# Altium PCB CLP_v1.2_Pcb_2.PcbDoc (part 2 of 2)
Units mil, origin at the board's own origin, x right, y up, seen from the top; angles counter-clockwise.
Board outline 2247.32 x 3030.4 mil, 2 copper layers (Top Layer, Bottom Layer); 102 components, 87 nets, 445 pads, 103 vias.
Unrouted connection lines stored in the file: 22.
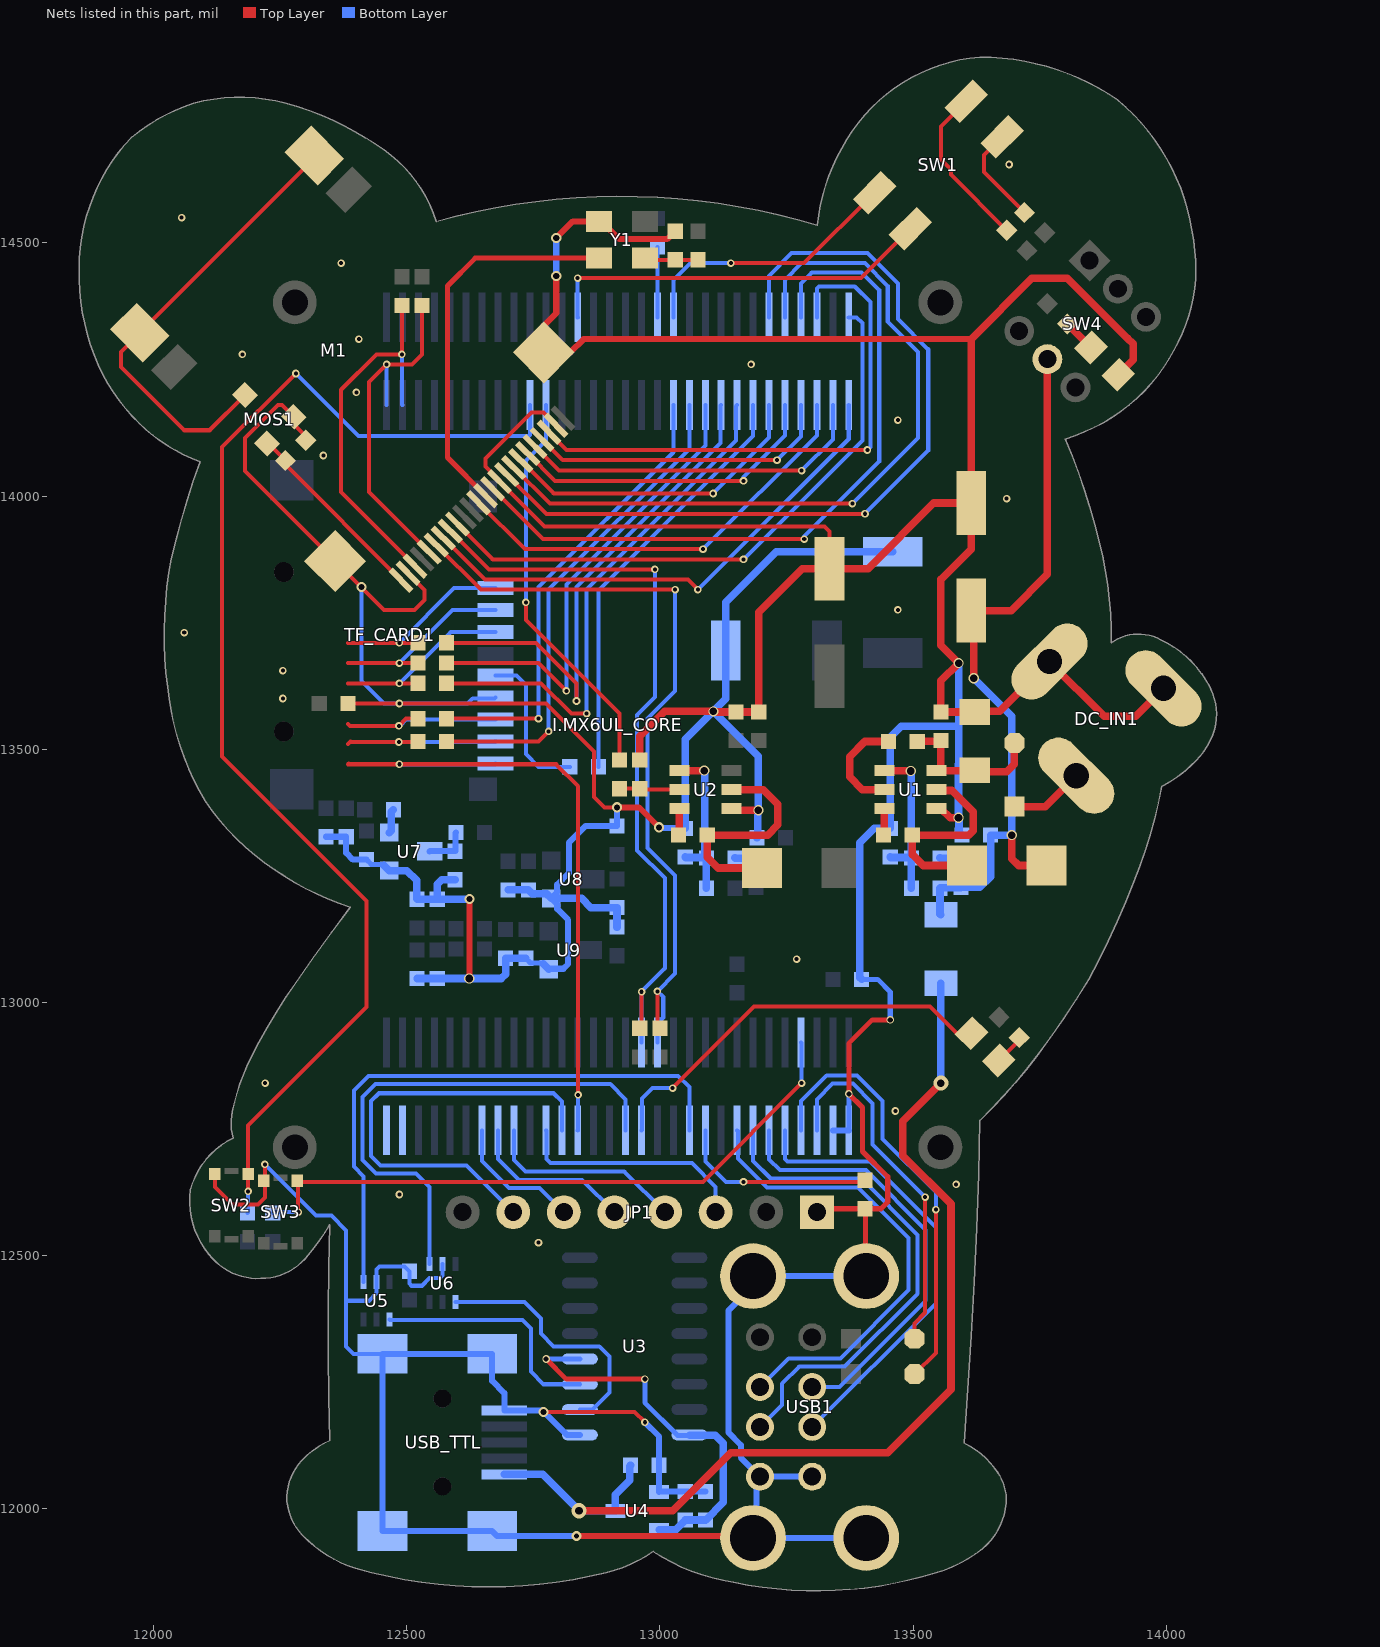
[diagram p2: the nets of this part, all layers, seen from the top]

## Via types
v1: diameter 15, hole 8, Top Layer to Bottom Layer, 63 vias
v2: diameter 30, hole 15, Top Layer to Bottom Layer, 12 vias
v3: diameter 20, hole 15, Top Layer to Bottom Layer, 11 vias
v4: diameter 20, hole 12, Top Layer to Bottom Layer, 7 vias
v5: diameter 20, hole 10, Top Layer to Bottom Layer, 5 vias
v6: diameter 15, hole 10, Top Layer to Bottom Layer, 4 vias
v7: diameter 24, hole 12, Top Layer to Bottom Layer, 1 vias

## Nets (pads, with @x,y where several pads share a name; then routed paths per layer and width w, separated by ;. In a path a pad name is that pad's centre, name@x,y a point inside that pad or via, vN(x,y) a via of type N, cw(c..) or ccw(c..) an arc to the next point about the centre after c; other vN are vias at no path point) (continued)
GND: C1.2 C2.2 C3.2 C6.1 C7.2 C8.1 C9.1 C10.1 C12.2 C14.2 C15.1 C16.1 C17.1 C18.1 C19.1 C20.1 C21.1 C22.1 C23.1 C24.1 C25.1 C26.1 C27.1 C28.1 C29.1 C30.1 C31.1 C32.1 C33.2 C34.2 C35.1 D3.1 D4.1 DC_IN1.2 DC_IN1.3 I.MX6UL_CORE.J2_59 I.MX6UL_CORE.J2_60 JP1.1 M1.2 M1.15 M1.23 M1.25 M1.26 MOS1.2 PWR.2 R4.1 R8.2 R30.1 R35.2 SW2.3 SW3.3 TF_CARD1.6 U1.1 U2.1 U3.1 U4.1 U5.2 U6.2 U7.1 U8.1 U9.1 USB1.4 USB1.8 USB1.9 USB1.10 USB1.11 USB1.12 USB_TTL.5 Y1.2 | length 16467.6
  Top Layer w8: SW2.3@12120.34,12660.46 12120.34,12634.66 12155,12600 12205.31,12600 12219.38,12614.07 v1(12219.38,12679.38) ; R30.1@12299.98,14109.98 12299.98,14118.47 12276.25,14142.21 MOS1.2@12276.25,14156.65 12252.89,14180 12245,14180 12180,14115 12180,14049.59 M1.26@12358.02,13871.57 12454.59,13775 12515,13775 12535,13795 12535,13814.7 M1.2@12502.22,13847.48 ; C19.1@12383.25,13590 v1(12485,13590) 12775,13590 12870,13495 12870,13405 12890,13385 v4(12915,13385) ; v4(12770,12190) 12950,12190 v1(12970,12170) ; M1.25@12770.27,14283.82 M1.25@12781.18,14283.82 ; M1.23@12794.53,14139.79 12794.53,14140.47 12770,14165 12746.36,14165 12655.39,14074.03 12655.39,14058.6 12683.17,14030.81 M1.15@12683.17,14028.43 12771.61,13940 13325,13940 13335,13930 C14.2@13335,13856.3
  Top Layer w10: JP1.1@13310,12585 13316.75,12591.75 R35.2@13405,12591.75 ; USB1.11@13407.45,12458.8 13406.22,12460.03 13406.22,12590.53 R35.2@13405,12591.75 ; v6(13455,12965) 13419.55,12965 13373.11,12918.56 v6(13373.11,12818.74) 13400.2,12791.65 13400.2,12704.8 13450,12655 13450,12605 13436.75,12591.75 R35.2@13405,12591.75
  Top Layer w12: v3(12623.11,13046.75) 12623.36,13047 12623.36,13203.78 v4(12623.61,13204.03) ; M1.25@12770.27,14283.82 12770.27,14336.58 12795,14361.31 v4(12795,14435) ; M1.25@12781.18,14283.82 12823.03,14283.82 12849.21,14310 13615,14310 ; v4(12795,14510) 12827.83,14542.83 Y1.2@12879.45,14542.83 12884.37,14542.83 12919.74,14507.47 13014.22,14507.47 C33.2@13030,14523.25 ; v5(12835,11945) 13180.31,11945 USB1.10@13183.83,11941.48 ; v4(12915,13385) 12958.48,13385 v4(12998.02,13345.46)
  Top Layer w15: C8.1@12960,13478.25 12960,13525 13009.61,13574.61 v3(13105.39,13574.61) 13106.75,13573.25 C9.1@13150,13573.25 C10.1@13195,13573.25 13195,13770 13281.3,13856.3 C14.2@13335,13856.3 13411.3,13856.3 13541.3,13986.3 C7.2@13615,13986.3 ; U2.1@13141.18,13382.6 13144.51,13379.27 v3(13194.27,13379.27) ; U1.1@13546.18,13382.6 13555.04,13382.6 13573.38,13364.25 v3(13589.78,13364.25) ; C2.2@13621.75,13573.17 13621.67,13573.25 C3.2@13555,13573.25 13555,13635 v3(13590,13670) 13555,13705 13555,13835 13615,13895 C7.2@13615,13986.3 ; C2.2@13628.75,13573.25 13630.5,13575 13671.61,13575 DC_IN1.3@13769.51,13672.89 13877.4,13565 13940,13565 DC_IN1.2@13995,13620 ; PWR.2@13905.46,14239.54 13935,14269.08 13935,14300.45 13923.63,14311.83 13923.17,14311.83 13805,14430 13735,14430 13615,14310 C7.2@13615,13986.3
  Bottom Layer w8: v1(12219.38,12679.38) 12320.38,12578.39 12350.85,12578.39 12380,12549.24 12380,12410 ; v4(12410,13820) 12410,13635 12455,13590 v1(12485,13590) 12620,13590 12630,13600 12673.31,13600 TF_CARD1.6@12675,13601.69 ; USB_TTL.5@12451.89,12305.2 12394.8,12305.2 12380,12320 12380,12410 ; U6.2@12570,12482.4 12570,12459.69 12565.31,12455 12545,12455 12529.66,12439.66 12509.37,12439.66 12504.69,12444.35 12504.69,12467.94 C18.1@12505,12468.25 12495.4,12477.85 12445.86,12477.85 12440,12471.99 U5.2@12440,12447.4 12440,12425 12425,12410 12380,12410
  Bottom Layer w10: C34.2@12420,13281.75 12429.52,13272.23 U7.1@12452.77,13272.23 ; C27.1@12735,13086.75 12744.35,13077.4 U9.1@12767.6,13077.4 ; I.MX6UL_CORE.J2_60@13372.95,12746.77 13373.03,12746.85 13373.03,12818.66 v6(13373.11,12818.74) ; C1.2@13398.25,13045 13430,13045 13455,13020 v6(13455,12965)
  Bottom Layer w12: C21.1@12340,13326.75 C22.1@12380,13326.75 12380,13295 12393.25,13281.75 C34.2@12420,13281.75 ; U9.1@12780,13065 12780.98,13065.98 12808.97,13065.98 12818.4,13075.41 12818.4,13162.71 12797,13184.11 12797,13193 U8.1@12785,13205 12796.85,13216.85 12796.85,13231.9 12820.11,13255.16 12820.11,13315.11 12853.25,13348.25 C35.1@12915,13348.25 v4(12915,13385) ; v4(12795,14435) v4(12795,14510) ; v5(12835,11945) 12678.23,11945 USB_TTL.5@12668.43,11954.81 USB_TTL.5@12451.89,11954.81 USB_TTL.5@12451.89,12305.2 USB_TTL.5@12668.43,12305.2 12668.43,12251.57 12692.36,12227.64 USB_TTL.5@12692.36,12192.99 12767.99,12192.99 12815.99,12145 U3.1@12841.73,12145 ; v1(12970,12170) 12998.25,12141.75 C17.1@12998.25,12085 12998.25,12032.46 U4.1@12998.31,12032.4 12998.73,12032.83 13049.58,12032.83 C15.1@13050,12033.25 C16.1@13090,12033.25 ; v4(12998.02,13345.46) 12999.13,13344.36 13048.89,13344.36 R8.2@13050,13343.25 ; USB1.10@13168.99,11926.64 USB1.10@13183.83,11941.48 ; USB1.8@13300.76,12062.35 USB1.4@13197.61,12062.35 ; I.MX6UL_CORE.J2_59@13341.46,12746.77 I.MX6UL_CORE.J2_60@13372.95,12746.77 ; USB1.12@13407.45,11941.48 USB1.10@13183.83,11941.48 ; USB1.11@13407.45,12458.8 USB1.9@13183.83,12458.8 13183.83,12439.13 13135,12390.31 13135,12150 13160,12125 13160,12099.95 USB1.4@13197.61,12062.35 ; USB1.10@13183.83,11941.48 13190.72,11948.37 13190.72,12055.46 USB1.4@13197.61,12062.35
  Bottom Layer w15: U7.1@12454.5,13270.5 U7.1@12465,13260 12500,13260 12519.25,13240.75 12519.25,13204 C30.1@12520,13203.25 C29.1@12560,13203.25 ; C32.1@12520,13046.75 C31.1@12560,13046.75 v3(12623.11,13046.75) 12686.21,13046.75 12695,13055.54 C28.1@12695,13086.75 C27.1@12735,13086.75 ; C20.1@12595,13241.75 12568.79,13241.75 12560,13232.96 C29.1@12560,13203.25 ; v4(12623.61,13204.03) 12623.22,13203.64 12560.39,13203.64 C29.1@12560,13203.25 ; C25.1@12700,13221.75 C24.1@12740,13221.75 12747.5,13214.25 12775.75,13214.25 U8.1@12785,13205 12845,13205 12863.25,13186.75 C23.1@12915,13186.75 C26.1@12915,13148.25 ; U9.1@12769.5,13075.5 U9.1@12780,13065 ; R8.2@13050,13343.25 13050,13519.22 v3(13105.39,13574.61) ; C12.2@13191.75,13325 13193.32,13326.57 13193.32,13378.32 v3(13194.27,13379.27) 13194.27,13485.73 v3(13105.39,13574.61) ; C1.2@13398.25,13045 13395,13048.25 13395,13315 13423.25,13343.25 R4.1@13455,13343.25 13455,13523.11 13476.89,13545 13589.91,13545 ; D3.1@13460,13890 13230,13890 13130,13790 D4.1@13130,13695 13130,13599.22 v3(13105.39,13574.61) ; 13589.78,13470.22 v3(13589.78,13364.25) ; v3(13590,13670) 13589.91,13669.91 13589.91,13545 ; C6.1@13596.75,13330 13590.74,13336.01 13590.74,13363.3 v3(13589.78,13364.25) ; v3(13589.78,13364.25) 13589.91,13364.38 13589.91,13545
  other v1: 12760,12525 12485,12620 13585,12640 13465,12785 12220,12840 13270,13085 12255,13600 12255,13655 12060,13730 13470,13775 13685,13995 12335,14080 13470,14150 12400,14205 13180,14260 12175,14280 12405,14310 12370,14460 12055,14550 13690,14655
IPS_CS: I.MX6UL_CORE.J2_42 JP1.7 | length 882.2
  Bottom Layer w8: JP1.7@12710,12585 12617.54,12677.46 12447.54,12677.46 12429.32,12695.68 12429.32,12804.32 12445,12820 12790,12820 12806.02,12803.98 I.MX6UL_CORE.J2_42@12806.02,12746.77
IPS_DC: I.MX6UL_CORE.J2_37 JP1.6 | length 263.8
  Bottom Layer w8: I.MX6UL_CORE.J2_37@12648.54,12746.77 12648.54,12686.46 12702.08,12632.92 12762.08,12632.92 JP1.6@12810,12585
IPS_RESET: I.MX6UL_CORE.J2_38 JP1.5 | length 330.2
  Bottom Layer w8: I.MX6UL_CORE.J2_38@12680.04,12746.77 12680.04,12689.96 12721.07,12648.93 12846.07,12648.93 JP1.5@12910,12585
IPS_SCL: I.MX6UL_CORE.J2_41 JP1.3 | length 464.2
  Bottom Layer w8: I.MX6UL_CORE.J2_41@12774.53,12746.77 12775.35,12745.95 12775.35,12690.52 12783.98,12681.89 13063.11,12681.89 13110,12635 JP1.3@13110,12585
IPS_SDA: I.MX6UL_CORE.J2_39 JP1.4 | length 399.6
  Bottom Layer w8: I.MX6UL_CORE.J2_39@12711.54,12746.77 12711.54,12688.46 12734.35,12665.65 12929.35,12665.65 JP1.4@13010,12585
LCD_DATA5: I.MX6UL_CORE.J1_12 SW1.3 | length 542.6
  Top Layer w8: v1(13140,14460) 13284.97,14460 SW1.3@13424.14,14599.17
  Bottom Layer w8: I.MX6UL_CORE.J1_12@13026.5,14353.07 13026.5,14426.5 13060,14460 v1(13140,14460)
LCD_DATA6: I.MX6UL_CORE.J1_13 R14.2 | length 138.7
  Bottom Layer w8: I.MX6UL_CORE.J1_13@12995,14353.07 R14.2@12995,14491.75
LCD_DATA11: I.MX6UL_CORE.J1_18 SW1.4 | length 775.6
  Top Layer w8: v1(12837.38,14430.59) 13396.98,14430.59 SW1.4@13494.85,14528.46
  Bottom Layer w8: v1(12837.38,14430.59) 12837.45,14430.52 I.MX6UL_CORE.J1_18@12837.52,14353.07 I.MX6UL_CORE.J1_18@12837.52,14353.07
LED0: I.MX6UL_CORE.J2_47 LED1.2 | length 812.8
  Top Layer w8: v1(13025,12830) 13186.16,12991.16 13533.43,12991.16 13587.72,12936.87 13613.88,12936.87 LED1.2@13615.65,12938.64
  Bottom Layer w8: I.MX6UL_CORE.J2_47@12963.5,12746.77 12964.25,12747.52 12964.25,12809.28 12984.97,12830 v1(13025,12830)
NetC2_1: C2.1 C3.1 R1.1 U1.3 VD1.2 | length 306.6
  Top Layer w15: R1.1@13508.25,13515 13509.12,13515.88 13554.12,13515.88 C3.1@13555,13516.75 13555,13460.73 U1.3@13551.67,13457.4 ; U1.3@13546.18,13457.4 U1.3@13551.67,13457.4 ; C2.1@13621.75,13458.17 13620.98,13457.4 U1.3@13551.67,13457.4 ; C2.1@13627.9,13457.4 13628.89,13458.39 13632.27,13455 13685,13455 13700.27,13470.27 VD1.2@13700.27,13512.3
NetC4_1: C4.1 U1.6 | length 53.5
  Top Layer w15: C4.1@13441.75,13330 13442.78,13331.03 13442.78,13381.56 U1.6@13443.82,13382.6
NetC4_2: C4.2 L1.1 U1.2 | length 407.6
  Top Layer w15: U1.2@13546.18,13420 13547.94,13418.24 13576.76,13418.24 13618.78,13376.22 13618.78,13338.79 13610,13330 C4.2@13498.25,13330 13498.25,13291.75 13520,13270 L1.1@13606.26,13270
NetC5_1: C5.1 R2.2 | length 42.5
  Bottom Layer w15: R2.2@13553.25,13285 13554.12,13284.12 13594.12,13284.12 C5.1@13595,13283.25
NetC5_2: C5.2 C6.2 C7.1 F1.1 L1.2 R3.2 SW4.5 | length 1489.1
  Top Layer w15: v3(13620,13640) 13620,13768.7 C7.1@13615,13773.7 13693.7,13773.7 13765.4,13845.4 SW4.5@13765.4,14270.4 ; v3(13695,13330) 13695,13283.49 13708.49,13270 L1.2@13763.74,13270
  Bottom Layer w15: F1.1@13555,13172.5 13553.25,13174.25 R3.2@13553.25,13225 13554.12,13225.88 13594.12,13225.88 C5.2@13595,13226.75 13631.75,13226.75 13653.25,13248.25 C6.2@13653.25,13330 v3(13695,13330) 13695,13565 v3(13620,13640)
NetC8_2: C8.2 R6.1 U2.5 | length 119.5
  Top Layer w8: R6.1@12920,13421.75 C8.2@12960,13421.75 12961.75,13420 U2.5@13038.82,13420
NetC11_1: C11.1 L2.1 U2.2 | length 452.8
  Top Layer w15: U2.2@13141.18,13420 13203.81,13420 13232.97,13390.83 13232.97,13350.24 13212.73,13330 C11.1@13093.25,13330 13093.25,13286.75 13115,13265 L2.1@13201.26,13265
NetC11_2: C11.2 U2.6 | length 53.5
  Top Layer w15: C11.2@13036.75,13330 13037.78,13331.03 13037.78,13381.56 U2.6@13038.82,13382.6
NetC13_2: C13.2 R7.1 | length 42.5
  Bottom Layer w15: R7.1@13148.25,13285 13149.12,13284.12 13189.12,13284.12 C13.2@13190,13283.25
NetC20_2: C20.2 L3.1 U7.3 | length 87.6
  Bottom Layer w12: U7.3@12545,13298 12545.25,13298.25 C20.2@12595,13298.25 12595.88,13299.12 12595.88,13334.12 L3.1@12596.75,13335
NetC33_1: C33.1 L7.1 Y1.4 | length 106.3
  Top Layer w8: Y1.4@12970,14470 12973.25,14466.75 C33.1@13030,14466.75 L7.1@13075,14466.75
NetDC_IN1_1: DC_IN1.1 VD1.1 | length 147.4
  Top Layer w15: VD1.1@13700.27,13386.31 13761.31,13386.31 DC_IN1.1@13822.4,13447.4
NetI.MX6UL_CORE_J1_49: I.MX6UL_CORE.J1_49 R24.1 | length 912
  Top Layer w8: R24.1@12578.25,13560 v1(12760,13560)
  Bottom Layer w8: v1(12760,13560) 12760,13820 13026.5,14086.5 I.MX6UL_CORE.J1_49@13026.5,14179.84
NetI.MX6UL_CORE_J1_50: I.MX6UL_CORE.J1_50 R25.1 | length 970
  Top Layer w8: R25.1@12578.25,13515 12760,13515 v1(12780,13535)
  Bottom Layer w8: v1(12780,13535) 12780,13815 13057.99,14092.99 I.MX6UL_CORE.J1_50@13057.99,14179.84
NetI.MX6UL_CORE_J1_51: I.MX6UL_CORE.J1_51 R26.1 | length 938.5
  Top Layer w8: R26.1@12578.25,13670 12760,13670 v1(12815,13615)
  Bottom Layer w8: v1(12815,13615) 12815,13825 13090,14100 13090,14179.33 I.MX6UL_CORE.J1_51@13089.49,14179.84
NetI.MX6UL_CORE_J1_52: I.MX6UL_CORE.J1_52 R27.1 | length 1028.2
  Top Layer w8: R27.1@12578.25,13710 12755,13710 12835,13630 v1(12835,13595)
  Bottom Layer w8: v1(12835,13595) 12835,13820 13120,14105 13120,14178.86 I.MX6UL_CORE.J1_52@13120.98,14179.84
NetI.MX6UL_CORE_J1_53: I.MX6UL_CORE.J1_53 R28.1 | length 1034.7
  Top Layer w8: R28.1@12578.25,13630 12765,13630 12825,13570 v1(12855,13570)
  Bottom Layer w8: v1(12855,13570) 12855,13815 13150,14110 13150,14177.36 I.MX6UL_CORE.J1_53@13152.48,14179.84
NetI.MX6UL_CORE_J1_54: I.MX6UL_CORE.J1_54 R29.1 | length 841.5
  Bottom Layer w8: R29.1@12878.25,13465 12878.25,13813.25 13183.98,14118.98 I.MX6UL_CORE.J1_54@13183.98,14179.84
NetL4_1: L4.1 U7.2 | length 48.4
  Bottom Layer w15: U7.2@12465,13335 12469.12,13339.12 12469.12,13375.88 L4.1@12473.25,13380
NetLED1_1: LED1.1 R15.1 | length 61.9
  Top Layer w8: LED1.1@13669.39,12884.9 13709.98,12925.48 R15.1@13709.98,12930.02
NetLED2_2: LED2.2 LED3.2 MOS1.3 | length 902.1
  Top Layer w8: MOS1.3@12180.2,14199.8 12110.4,14130 12060,14130 11935,14255 11935,14285 11972.12,14322.12 LED2.2@11972.12,14322.88 12317.12,14667.88 LED3.2@12317.12,14672.88
NetPWR_1: PWR.1 R5.1 | length 66.1
  Top Layer w15: R5.1@13804.98,14340.02 PWR.1@13851.72,14293.28
NetR1_2: R1.2 U1.5 | length 208.4
  Top Layer w15: U1.5@13443.82,13420 13400,13420 13375,13445 13375,13485 13405,13515 R1.2@13451.75,13515
NetR2_1: R2.1 R3.1 R4.2 U1.4 | length 325.7
  Top Layer w15: U1.4@13443.82,13457.4 13444.16,13457.06 13495.09,13457.06 v3(13495.44,13456.71)
  Bottom Layer w15: R4.2@13455,13286.75 13455.88,13285.88 13495.88,13285.88 R2.1@13496.09,13285.66 ; v3(13495.44,13456.71) 13496.09,13456.06 R2.1@13496.09,13285.66 ; R3.1@13496.75,13225 R2.1@13496.75,13285 R2.1@13496.09,13285.66
NetR7_2: R7.2 R8.1 R9.1 U2.4 | length 324
  Top Layer w15: U2.4@13038.82,13457.4 v3(13087.4,13457.4)
  Bottom Layer w15: R8.1@13050,13286.75 13050.88,13285.88 R7.2@13090.88,13285.88 ; v3(13087.4,13457.4) 13088.36,13456.44 13088.36,13288.39 R7.2@13090.88,13285.88 ; R9.1@13091.75,13225 R7.2@13091.75,13285 R7.2@13090.88,13285.88
NetR12_2: R12.2 SW1.1 | length 197.4
  Top Layer w8: SW1.1@13675.81,14709.42 13640,14673.61 13640,14640 R12.2@13720.02,14559.98
NetR13_2: R13.2 SW1.2 | length 329.8
  Top Layer w8: SW1.2@13605.1,14780.13 13555,14730.03 13555,14665 13575,14645 13575,14635 R13.2@13685.02,14524.98
ON_OFF: I.MX6UL_CORE.J2_4 R17.1 SW3.1 | length 1272.1
  Top Layer w8: SW3.1@12283.4,12644.67 SW3.1@12284.36,12644.67 ; SW3.1@12283.4,12647.07 12284.36,12646.11 SW3.1@12284.36,12644.67 ; v1(12285.33,12585) 12284.36,12585.96 SW3.1@12284.36,12644.67 ; v1(13280,12840) 13084.67,12644.67 SW3.1@12284.36,12644.67
  Bottom Layer w8: R17.1@12235,12583.25 12236.75,12585 v1(12285.33,12585) ; I.MX6UL_CORE.J2_4@13278.46,12920 13279.23,12919.23 13279.23,12840.77 v1(13280,12840)
OV_D0: I.MX6UL_CORE.J1_56 M1.19 | length 632.4
  Top Layer w8: M1.19@12738.85,14084.11 12792.96,14030 v1(13165,14030)
  Bottom Layer w8: v1(13165,14030) 13165,14037.69 13246.97,14119.66 I.MX6UL_CORE.J1_56@13246.97,14179.84
OV_D1: I.MX6UL_CORE.J1_57 M1.21 | length 610.2
  Top Layer w8: M1.21@12766.69,14111.95 12807.85,14070.79 v1(13231.21,14070.79)
  Bottom Layer w8: v1(13231.21,14070.79) 13278.46,14118.04 I.MX6UL_CORE.J1_57@13278.46,14179.84
OV_D2: I.MX6UL_CORE.J1_3 M1.22 | length 1116
  Top Layer w8: M1.22@12780.61,14125.87 12815.52,14090.96 v1(13409.87,14090.96)
  Bottom Layer w8: I.MX6UL_CORE.J1_3@13309.96,14353.07 13309.96,14409.96 13314.28,14414.28 13384.81,14414.28 13416,14383.1 13416,14097.09 v1(13409.87,14090.96)
OV_D3: I.MX6UL_CORE.J1_59 M1.20 | length 702.4
  Top Layer w8: M1.20@12752.77,14098.03 12800.8,14050 v1(13280,14050)
  Bottom Layer w8: v1(13280,14050) 13341.46,14111.46 I.MX6UL_CORE.J1_59@13341.46,14179.84
OV_D4: I.MX6UL_CORE.J1_55 M1.18 | length 627.7
  Top Layer w8: M1.18@12724.93,14070.19 12790.12,14005 v1(13105,14005)
  Bottom Layer w8: v1(13105,14005) 13215.47,14115.47 I.MX6UL_CORE.J1_55@13215.47,14179.84
OV_D5: I.MX6UL_CORE.J1_6 M1.16 | length 1652.9
  Top Layer w8: M1.16@12697.09,14042.35 12775.32,13964.13 13404.13,13964.13 v1(13405,13965)
  Bottom Layer w8: I.MX6UL_CORE.J1_6@13215.47,14353.07 13215,14353.54 13215,14435 13260,14480 13410,14480 13470,14420 13470,14350 13530,14290 13530,14090 v1(13405,13965)
OV_D6: I.MX6UL_CORE.J1_4 M1.14 | length 1455
  Top Layer w8: M1.14@12669.25,14014.51 12768.77,13915 v1(13285,13915)
  Bottom Layer w8: I.MX6UL_CORE.J1_4@13278.46,14353.07 13278.46,14420 13299.88,14441.41 13398.59,14441.41 13433.2,14406.8 13433.2,14068.2 13285,13920 v1(13285,13915)
OV_D7: I.MX6UL_CORE.J1_58 M1.12 | length 859.6
  Top Layer w8: M1.12@12641.42,13986.67 12733.09,13895 v1(13085,13895)
  Bottom Layer w8: v1(13085,13895) 13309.96,14119.96 I.MX6UL_CORE.J1_58@13309.96,14179.84
OV_HREF: I.MX6UL_CORE.J1_1 M1.9 | length 1190
  Top Layer w8: M1.9@12599.66,13944.92 12669.57,13875 v1(13165,13875)
  Bottom Layer w8: v1(13165,13875) 13400,14110 13400,14341.61 13388.54,14353.07 I.MX6UL_CORE.J1_1@13372.95,14353.07
OV_PCLK: I.MX6UL_CORE.J1_5 M1.17 | length 1516.5
  Top Layer w8: M1.17@12711.01,14056.27 12782.28,13985 v1(13380,13985)
  Bottom Layer w8: I.MX6UL_CORE.J1_5@13246.97,14353.07 13246.97,14426.97 13280,14460 13405,14460 13450,14415 13450,14345 13510,14285 13510,14115 v1(13380,13985)
OV_PWDN: I.MX6UL_CORE.J2_14 M1.8 R31.2 | length 1501.1
  Top Layer w8: M1.8@12585.74,13931 12661.73,13855 v1(12990,13855) ; R31.2@12960,12948.25 12963.56,12951.81 v1(12963.56,13020.58)
  Bottom Layer w8: I.MX6UL_CORE.J2_14@12963.5,12920 v1@12963.5,13020.58 ; v1(12963.56,13020.58) 13010,13067.03 13010,13245 12955,13300 12955,13567.79 12990,13602.79 v1(12990,13855)
OV_RESET: I.MX6UL_CORE.J2_13 M1.6 R32.2 | length 1550.6
  Top Layer w8: M1.6@12557.9,13903.16 12646.06,13815 v1(13030,13815) ; v1(12994.98,13021.32) 12994.98,12953.27 R32.2@13000,12948.25
  Bottom Layer w8: I.MX6UL_CORE.J2_13@12995,12920 12995,12962.32 12997.89,12965.21 13001.8,12965.21 13006.48,12969.9 13006.48,13009.81 v1(12994.98,13021.32) 13030,13056.34 13030,13250 12975,13305 12975,13560 13030,13615 v1(13030,13815)
OV_SCL: I.MX6UL_CORE.J2_31 M1.5 R33.2 | length 689.9
  Top Layer w8: R33.2@12530,14376.75 12530,14280 12510,14260 v1(12460,14260) 12425,14225 12425,14008.22 M1.5@12543.98,13889.24
  Bottom Layer w8: 12459.57,14179.84 12459.78,14180.06 12459.78,14259.78 v1(12460,14260)
OV_SDA: I.MX6UL_CORE.J2_32 M1.3 R34.2 | length 755.5
  Top Layer w8: R34.2@12490,14376.75 v1(12490,14280) 12440,14280 12370,14210 12370,14007.54 M1.3@12516.14,13861.4
  Bottom Layer w8: v1(12490,14280) 12490.53,14279.47 12490.53,14180.37 12491.06,14179.84
OV_STROBE: M1.1 MOS1.1 R30.2 | length 381.7
  Top Layer w8: MOS1.1@12223.35,14103.75 12226.29,14103.75 R30.2@12260.02,14070.02 12260.02,14061.84 M1.1@12488.3,13833.56
OV_VSYNC: I.MX6UL_CORE.J1_60 M1.7 | length 1033.7
  Top Layer w8: M1.7@12571.82,13917.08 12653.9,13835 13055,13835 v1(13075,13815)
  Bottom Layer w8: v1(13075,13815) 13372.95,14112.95 I.MX6UL_CORE.J1_60@13372.95,14179.84
OV_XCLK: M1.13 Y1.3 | length 767.8
  Top Layer w10: M1.13@12655.34,14000.59 12580,14075.93 12580,14415 12635,14470 Y1.3@12879.45,14470
PMIC_ON_REQ: I.MX6UL_CORE.J1_41 R6.2 | length 795
  Top Layer w8: v1(12735,13790) 12735,13755 12920,13570 R6.2@12920,13478.25
  Bottom Layer w8: v1(12735,13790) 12735,14070 12775,14110 12775,14179.37 I.MX6UL_CORE.J1_41@12774.53,14179.84
RESET: I.MX6UL_CORE.J1_40 R16.1 SW2.1 | length 2508.2
  Top Layer w8: v1(12186.29,12626.29) SW2.1@12186.29,12660.46 12186.29,12756.29 12420,12990 12420,13200 12135,13485 12135,14096.56 v1(12280.56,14242.12)
  Bottom Layer w8: R16.1@12185,12583.25 12186.29,12584.54 v1(12186.29,12626.29) ; v1(12280.56,14242.12) 12404.05,14118.63 12741.03,14118.63 12743.03,14120.63 I.MX6UL_CORE.J1_40@12743.03,14179.84
RXD: U3.3 U5.4 | length 478.8
  Bottom Layer w8: U5.4@12465.59,12372.6 12466.31,12371.88 12728.12,12371.88 12745,12355 12745,12270 12770,12245 U3.3@12841.73,12245
TXD: U3.2 U6.4 | length 510.1
  Bottom Layer w8: U6.4@12595.59,12407.6 12732.4,12407.6 12765,12375 12765,12345 12790,12320 12880,12320 12900,12300 12900,12228.66 12866.34,12195 U3.2@12841.73,12195
UART1_RXD: I.MX6UL_CORE.J2_46 U6.1 | length 1035.2
  Bottom Layer w8: U6.1@12544.41,12482.4 12544.41,12634.71 12518.11,12661.01 12438.99,12661.01 12412.22,12687.78 12412.22,12812.22 12438.24,12838.24 12901.76,12838.24 12932.01,12807.99 I.MX6UL_CORE.J2_46@12932.01,12746.77
UART1_TXD: I.MX6UL_CORE.J2_50 U5.1 | length 1155.2
  Bottom Layer w8: U5.1@12414.41,12447.4 12414.41,12655.59 12395,12675 12395,12825 12424.27,12854.27 13035.73,12854.27 13057.99,12832.01 I.MX6UL_CORE.J2_50@13057.99,12746.77
UART_3V3: C15.2 C16.2 U3.4 U3.16 U4.2 | length 778.4
  Top Layer w10: v6(12775,12295) 12815,12255 v6(12970,12255)
  Bottom Layer w10: v6(12775,12295) U3.4@12841.73,12295 ; v6(12970,12255) 12970,12208.66 13034.46,12144.21 U3.16@13059.06,12144.21
  Bottom Layer w15: U4.2@12998.31,11957.6 13030.85,11957.6 C15.2@13050,11976.75 C16.2@13090,11976.75 13125,12011.75 13125,12128.02 13108.81,12144.21 U3.16@13059.06,12144.21
USB_OTG1_DN: I.MX6UL_CORE.J2_53 USB1.2 | length 934.3
  Bottom Layer w8: I.MX6UL_CORE.J2_53@13152.48,12746.77 13153.89,12745.36 13153.89,12691.11 13211.15,12633.85 13391.15,12633.85 13491.21,12533.79 13491.21,12431.21 13356.27,12296.27 13254.37,12296.27 USB1.2@13197.61,12239.51
USB_OTG1_DP: I.MX6UL_CORE.J2_54 USB1.3 | length 1006.9
  Bottom Layer w8: I.MX6UL_CORE.J2_54@13183.98,12746.77 13183.98,12686.02 13218.84,12651.16 13397.75,12651.16 13508.8,12540.1 13508.8,12423.81 13365,12280 13275.17,12280 13241.22,12246.06 13241.22,12204.39 USB1.3@13197.61,12160.77
USB_OTG1_ID: I.MX6UL_CORE.J2_51 R35.1 | length 396.3
  Top Layer w8: v1(13165,12645) 13398.25,12645 13403.25,12650 R35.1@13405,12648.25
  Bottom Layer w8: I.MX6UL_CORE.J2_51@13089.49,12746.77 13089.49,12685.51 13130,12645 v1(13165,12645)
USB_OTG1_VBUS: D1.2 I.MX6UL_CORE.J2_57 | length 862.1
  Top Layer w8: D1.2@13502.99,12265 13545,12307.01 v1(13545,12590)
  Bottom Layer w8: I.MX6UL_CORE.J2_57@13278.46,12746.77 13278.46,12804.46 13329.47,12855.46 13389.54,12855.46 13440,12805 13440,12730 13545,12625 v1(13545,12590)
USB_OTG2_DN: I.MX6UL_CORE.J2_55 USB1.6 | length 859.4
  Bottom Layer w8: I.MX6UL_CORE.J2_55@13215.47,12746.77 13215.47,12689.53 13236.89,12668.11 13406.89,12668.11 13525,12550 13525,12410 13354.51,12239.51 USB1.6@13300.76,12239.51
USB_OTG2_DP: I.MX6UL_CORE.J2_56 USB1.7 | length 906.5
  Bottom Layer w8: I.MX6UL_CORE.J2_56@13246.97,12746.77 13246.97,12689.75 13251.65,12685.06 13414.94,12685.06 13545,12555 13545,12404.69 13540.31,12400 13539.98,12400 USB1.7@13300.76,12160.77
USB_OTG2_VBUS: D2.2 I.MX6UL_CORE.J2_58 | length 716.8
  Top Layer w8: D2.2@13502.99,12335 13502.99,12365.35 13523.94,12386.3 v1(13523.94,12614.66)
  Bottom Layer w8: I.MX6UL_CORE.J2_58@13309.96,12746.77 13309.96,12807.8 13341.05,12838.89 13381.11,12838.89 13420,12800 13420,12718.6 v1(13523.94,12614.66)
USDHC1_CD_B: I.MX6UL_CORE.J2_43 TF_CARD1.9 | length 1345.5
  Top Layer w8: 12383.25,13470 12385.02,13471.77 12386.79,13470 v1(12485,13470) 12795,13470 12838.39,13426.61 v1(12838.39,12816.82)
  Bottom Layer w8: v1(12485,13470) 12673.23,13470 TF_CARD1.9@12675,13471.77 ; I.MX6UL_CORE.J2_43@12837.52,12746.77 12837.81,12747.06 12837.81,12816.24 v1(12838.39,12816.82)
USDHC1_CLK: R29.2 TF_CARD1.5 | length 301.1
  Bottom Layer w8: TF_CARD1.5@12675,13645 12716.16,13645 12735,13626.16 12735,13490 12760,13465 R29.2@12821.75,13465
USDHC1_CMD: R28.2 TF_CARD1.3 | length 370.6
  Top Layer w8: 12383.25,13630 v1(12485,13630) R28.2@12521.75,13630
  Bottom Layer w8: v1(12485,13630) 12586.61,13731.61 TF_CARD1.3@12675,13731.61
USDHC1_DATA0: R24.2 TF_CARD1.7 | length 342.4
  Top Layer w8: 12383.25,13550 12387.5,13545.75 v1(12483.97,13545.75) 12498.23,13560 R24.2@12521.75,13560
  Bottom Layer w8: v1(12483.97,13545.75) 12485.87,13545.75 12498.51,13558.39 TF_CARD1.7@12675,13558.39
USDHC1_DATA1: R25.2 TF_CARD1.8 | length 333
  Top Layer w8: 12383.25,13510 12388.33,13515.08 12389.45,13513.95 v1(12483.99,13513.95) 12520.7,13513.95 R25.2@12521.75,13515
  Bottom Layer w8: v1(12483.99,13513.95) 12673.88,13513.95 TF_CARD1.8@12675,13515.08
USDHC1_DATA2: R27.2 TF_CARD1.1 | length 373.3
  Top Layer w8: 12383.25,13710 v1(12485,13710) R27.2@12521.75,13710
  Bottom Layer w8: v1(12485,13710) 12593.23,13818.23 TF_CARD1.1@12675,13818.23
USDHC1_DATA3: R26.2 TF_CARD1.2 | length 372
  Top Layer w8: 12383.25,13670 v1(12485,13670) R26.2@12521.75,13670
  Bottom Layer w8: v1(12485,13670) 12589.92,13774.92 TF_CARD1.2@12675,13774.92
VUSB: C17.2 F1.2 U4.3 USB_TTL.1 | length 2058.9
  Top Layer w15: v2(12840,11995) 13025,11995 13140,12110 13450,12110 13575,12235 13575,12601.18 13480,12696.18 13480,12765 v2(13555,12840)
  Bottom Layer w15: USB_TTL.1@12692.36,12067.01 12767.99,12067.01 v2(12840,11995) U4.3@12911.69,11995 12911.69,12026.69 12940,12055 12940,12083.25 C17.2@12941.75,12085 ; v2(13555,12840) F1.2@13555,13037.5
pads on no net: I.MX6UL_CORE.0 I.MX6UL_CORE.J1_2 I.MX6UL_CORE.J1_7 I.MX6UL_CORE.J1_8 I.MX6UL_CORE.J1_9 I.MX6UL_CORE.J1_10 I.MX6UL_CORE.J1_11 I.MX6UL_CORE.J1_14 I.MX6UL_CORE.J1_15 I.MX6UL_CORE.J1_16 I.MX6UL_CORE.J1_17 I.MX6UL_CORE.J1_19 I.MX6UL_CORE.J1_20 I.MX6UL_CORE.J1_21 I.MX6UL_CORE.J1_22 I.MX6UL_CORE.J1_23 I.MX6UL_CORE.J1_24 I.MX6UL_CORE.J1_25 I.MX6UL_CORE.J1_26 I.MX6UL_CORE.J1_27 I.MX6UL_CORE.J1_28 I.MX6UL_CORE.J1_29 I.MX6UL_CORE.J1_30 I.MX6UL_CORE.J1_31 I.MX6UL_CORE.J1_32 I.MX6UL_CORE.J1_33 I.MX6UL_CORE.J1_34 I.MX6UL_CORE.J1_35 I.MX6UL_CORE.J1_36 I.MX6UL_CORE.J1_37 I.MX6UL_CORE.J1_38 I.MX6UL_CORE.J1_39 I.MX6UL_CORE.J1_42 I.MX6UL_CORE.J1_43 I.MX6UL_CORE.J1_44 I.MX6UL_CORE.J1_45 I.MX6UL_CORE.J1_46 I.MX6UL_CORE.J1_47 I.MX6UL_CORE.J1_48 I.MX6UL_CORE.J2_3 I.MX6UL_CORE.J2_5 I.MX6UL_CORE.J2_6 I.MX6UL_CORE.J2_7 I.MX6UL_CORE.J2_9 I.MX6UL_CORE.J2_10 I.MX6UL_CORE.J2_11 I.MX6UL_CORE.J2_12 I.MX6UL_CORE.J2_15 I.MX6UL_CORE.J2_16 I.MX6UL_CORE.J2_17 I.MX6UL_CORE.J2_18 I.MX6UL_CORE.J2_19 I.MX6UL_CORE.J2_20 I.MX6UL_CORE.J2_21 I.MX6UL_CORE.J2_22 I.MX6UL_CORE.J2_23 I.MX6UL_CORE.J2_24 I.MX6UL_CORE.J2_25 I.MX6UL_CORE.J2_26 I.MX6UL_CORE.J2_27 I.MX6UL_CORE.J2_28 I.MX6UL_CORE.J2_29 I.MX6UL_CORE.J2_30 I.MX6UL_CORE.J2_33 I.MX6UL_CORE.J2_34 I.MX6UL_CORE.J2_35 I.MX6UL_CORE.J2_36 I.MX6UL_CORE.J2_40 I.MX6UL_CORE.J2_44 I.MX6UL_CORE.J2_45 I.MX6UL_CORE.J2_48 I.MX6UL_CORE.J2_49 I.MX6UL_CORE.J2_52 M1.27 SW2.2 SW2.4 SW2.5 SW2.6 SW3.2 SW3.4 SW3.5 SW3.6 SW4.1 SW4.2 SW4.3 SW4.4 TF_CARD1.0 U3.7 U3.8 U3.9 U3.10 U3.11 U3.12 U3.13 U3.14 U3.15 U5.3 U6.3 USB_TTL.4 USB_TTL.MH1 USB_TTL.MH2 Y1.1

## Polygon pours and split planes (outlines as drawn)
no net on Bottom Layer "NONET_L02_P015" (solid, remove dead copper, pour order 15): 11600,15085
no net on Bottom Layer "NONET_L02_P003" (solid, pour order 3): 11605,12245
no net on Bottom Layer "NONET_L02_P001" (solid, pour order 1): 11625,12860
GND on Top Layer "GND_L01_P024" (solid, remove dead copper, pour order 24): 11330,15145
GND on Top Layer "GND_L01_P014" (solid, remove dead copper, pour order 14): 11270,13970
GND on Top Layer "GND_L01_P011" (solid, remove dead copper, pour order 11): 10505,13450

## Keep-outs
Keep-Out Layer:
  circle w10: c13890,14625 r68.01
  lines w10: 13145.41,11853.62 cw(c13204.41,12245.53) 12986.32,11914.61 cw(c12825.39,12146.94) 12893.45,11872.63 cw(c12662.29,12819.61) 12398.15,11881.3 cw(c12476.9,12123.34) 12293.87,11946.46 cw(c12374.26,12024.12) 12262.49,12023.34 cw(c12376.34,12017.69) 12292.1,12094.48 cw(c12418.01,11975.75) 12347.89,12133.97 cw(c19536.13,12350.76) 12347.68,12560.56 cw(c11960.41,12790.03) 12305.21,12500.64 cw(c12211.11,12572.43) 12211.11,12454.08 cw(c12204.69,12573.16) 12116.52,12492.87 cw(c12237.13,12607.38) 12072.26,12629.24 cw(c12224.71,12589.12) 12156.48,12731.23 cw(c12264.45,12760.09) 12155.24,12783.82 cw(c12564.24,12701.97) 12191.79,12889.75 cw(c13275.98,12343.82) 12278.93,13036.21 cw(c15109.31,11108.9) 12388.13,13187.55 cw(c12559.24,13719.6) 12238.67,13261.79 cw(c12510.87,13675.32) 12101.29,13397.22 cw(c12563.95,13674.19) 12027.2,13622.57 cw(c12798.53,13726.45) 12034.79,13876.26 cw(c13626,13511.71) 12091.28,14068.02 cw(c12203.74,14380.02) 11971.58,14143.18 cw(c12233.69,14413.83) 11890.33,14258.73 cw(c12297.58,14439.03) 11852.32,14449.27 cw(c12217.26,14450.31) 11873.21,14572 cw(c12207.68,14463.1) 11955.76,14708.59 cw(c12194.74,14419.48) 12078.2,14776.02 cw(c12169.67,14431.55) 12260.86,14776.09 cw(c12097.05,14184.42) 12439.62,14693.89 cw(c12296.22,14459.33) 12558.29,14542.39 cw(c12921.25,13239.99) 13310.59,14534.75 cw(c13709.08,14492.23) 13391.93,14737.21 cw(c13658.45,14531.6) 13632.19,14867.19 cw(c13632.19,14386.5) 13903.63,14783.22 cw(c13627.86,14453.88) 14028.68,14608.35 cw(c13536.81,14432.2) 14056.72,14483.75 cw(c13741.22,14448.22) 14015.52,14288.35 cw(c13706.73,14449.81) 13927.01,14179.81 cw(c13689.61,14473.85) 13800.41,14112.55 cw(c12696.74,13632.51) 13867.93,13909.68 cw(c13136.65,13721.77) 13891.59,13709.69 cw(c13945.56,13635.63) 13988.85,13716.4 cw(c13901.41,13528.39) 14078.53,13636.2 cw(c13978.17,13567.56) 14096.48,13539.52 cw(c13945.76,13587.23) 14049.66,13468.07 cw(c13882.57,13639.56) 13991.7,13426.44 cw(c12994.98,13618.2) 13935.82,13237.37 cw(c12293.81,13874.85) 13847.47,13044.96 cw(c12146.03,14088.16) 13744.47,12893.11 cw(c12775.27,13638.27) 13632.17,12766.29 cw(c2172.48,13011.35) 13600.78,12129.06 cw(c13532.25,11985.07) 13661.34,12078.69 cw(c13585.71,12015.35) 13684.22,12010.03 cw(c13550.21,12022.78) 13637.13,11919.99 cw(c13464.79,12140.46) 13545.21,11872.43 cw(c13308.91,12636.87) 13145.41,11853.63 ; 12236.42,12916.44 ccw(c12256.28,12906.5) 12258.66,12884.41 ccw(c12254.8,12911.87) 12280.51,12901.48 cw(c13002.66,12550.32) 12353.8,13023.4 cw(c13640.93,12063.08) 12391.12,13071.48 ccw(c12375.97,13083.38) 12359.78,13093.83 ccw(c13006.64,12512.41) 12236.42,12916.44 ; 13730.46,12999.14 ccw(c13119.92,13513.01) 13813.37,13118.1 ccw(c13240.77,13428.79) 13867.22,13250.02 cw(c13903.03,13242.55) 13883.46,13273.45 cw(c13889.15,13255.8) 13906.65,13249.65 cw(c13069.54,13506.15) 13858.2,13125.95 cw(c13191.07,13469.78) 13754.64,12974.13 cw(c13745.16,12989.15) 13730.46,12999.14

## Silkscreen, mask and mechanical layers (free items; w line width, h text height)
Top Overlay:
  drawing of 983 lines, arcs and shapes, not listed
  text "OFF" at 13130,14325.44 h40
  text "OFF" at 13230,14325.44 h40
  text "SD" at 13345,14325.44 h40
  text "ON" at 13140,14230.44 h40
  text "ON" at 13240,14230.44 h40
  text "EMMC" at 13320,14230.44 h40
  text "GND" at 13310.31,12529.69 h40 r225
  text "DCDC_3V3" at 12615.02,12524.98 h40 r225
  text "IPS_CS" at 12715.02,12524.98 h40 r225
  text "IPS_DC" at 12815.02,12524.98 h40 r225
  text "IPS_RESET" at 12915.02,12524.98 h40 r225
  text "IPS_SDA" at 13015.02,12524.98 h40 r225
  text "IPS_SCL" at 13115.02,12524.98 h40 r225

## Text inside footprints (layer, text, board x,y; h text height)
M1: Top Overlay "24" at 12841.86,14151.76 h40 r45; Top Overlay "1" at 12477.7,13787.6 h40 r45
SW1: Top Overlay "ON" at 13566.96,14512.04 h19.68 r135
TF_CARD1: Bottom Overlay "Cd" at 12624,13459.23 h40; Bottom Overlay "8" at 12602,13512.23 h40 r270; Bottom Overlay "7" at 12601,13556.23 h40 r270; Bottom Overlay "6" at 12601,13598.23 h40 r270; Bottom Overlay "5" at 12601,13640.23 h40 r270; Bottom Overlay "4" at 12600,13682.23 h40 r270; Bottom Overlay "3" at 12600,13729.23 h40 r270; Bottom Overlay "2" at 12600,13771.23 h40 r270; Bottom Overlay "1" at 12599,13814.23 h40 r270